# Altium PCB STM32_Controller_V2.0_ZET6.PcbDoc (part 1 of 2)
Units mil, origin at the board's own origin, x right, y up, seen from the top; angles counter-clockwise.
Board outline 3257.01 x 1920.53 mil, 2 copper layers (Top Layer, Bottom Layer); 111 components, 111 nets, 559 pads, 198 vias.
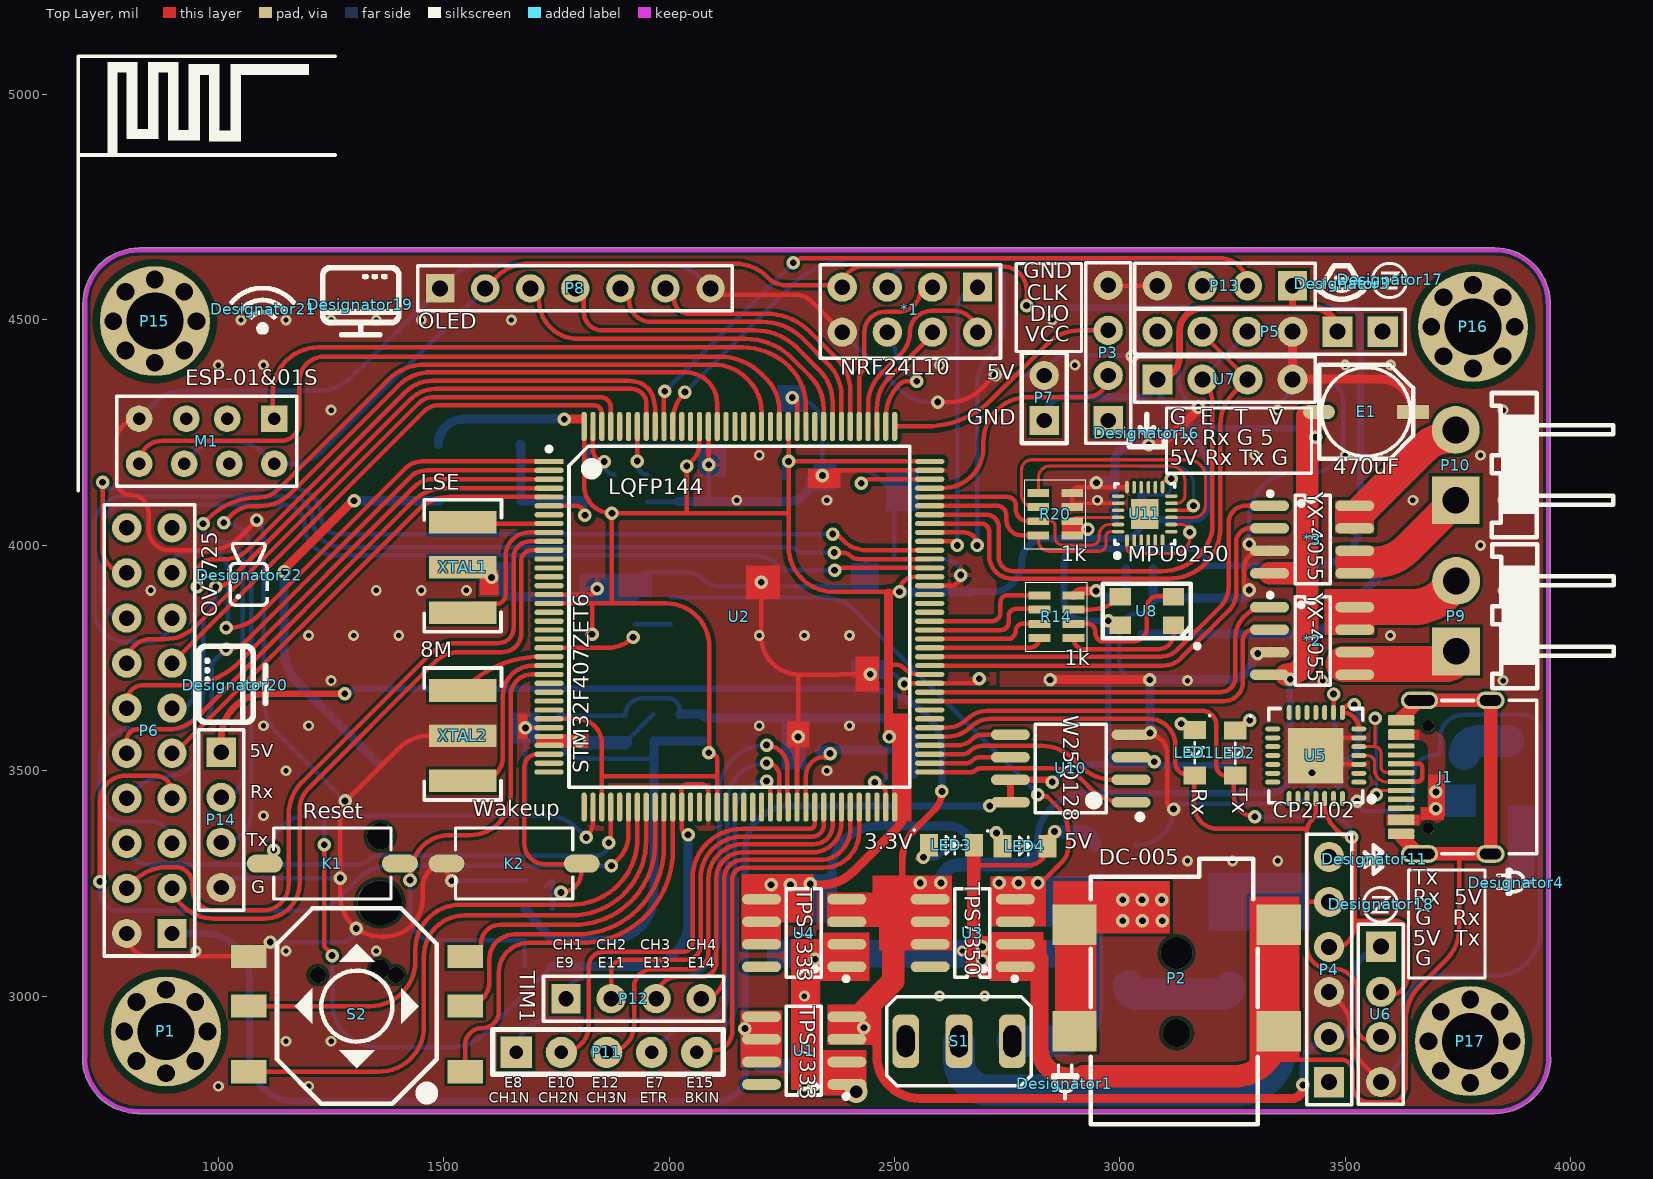
[diagram p0: Top Layer view]
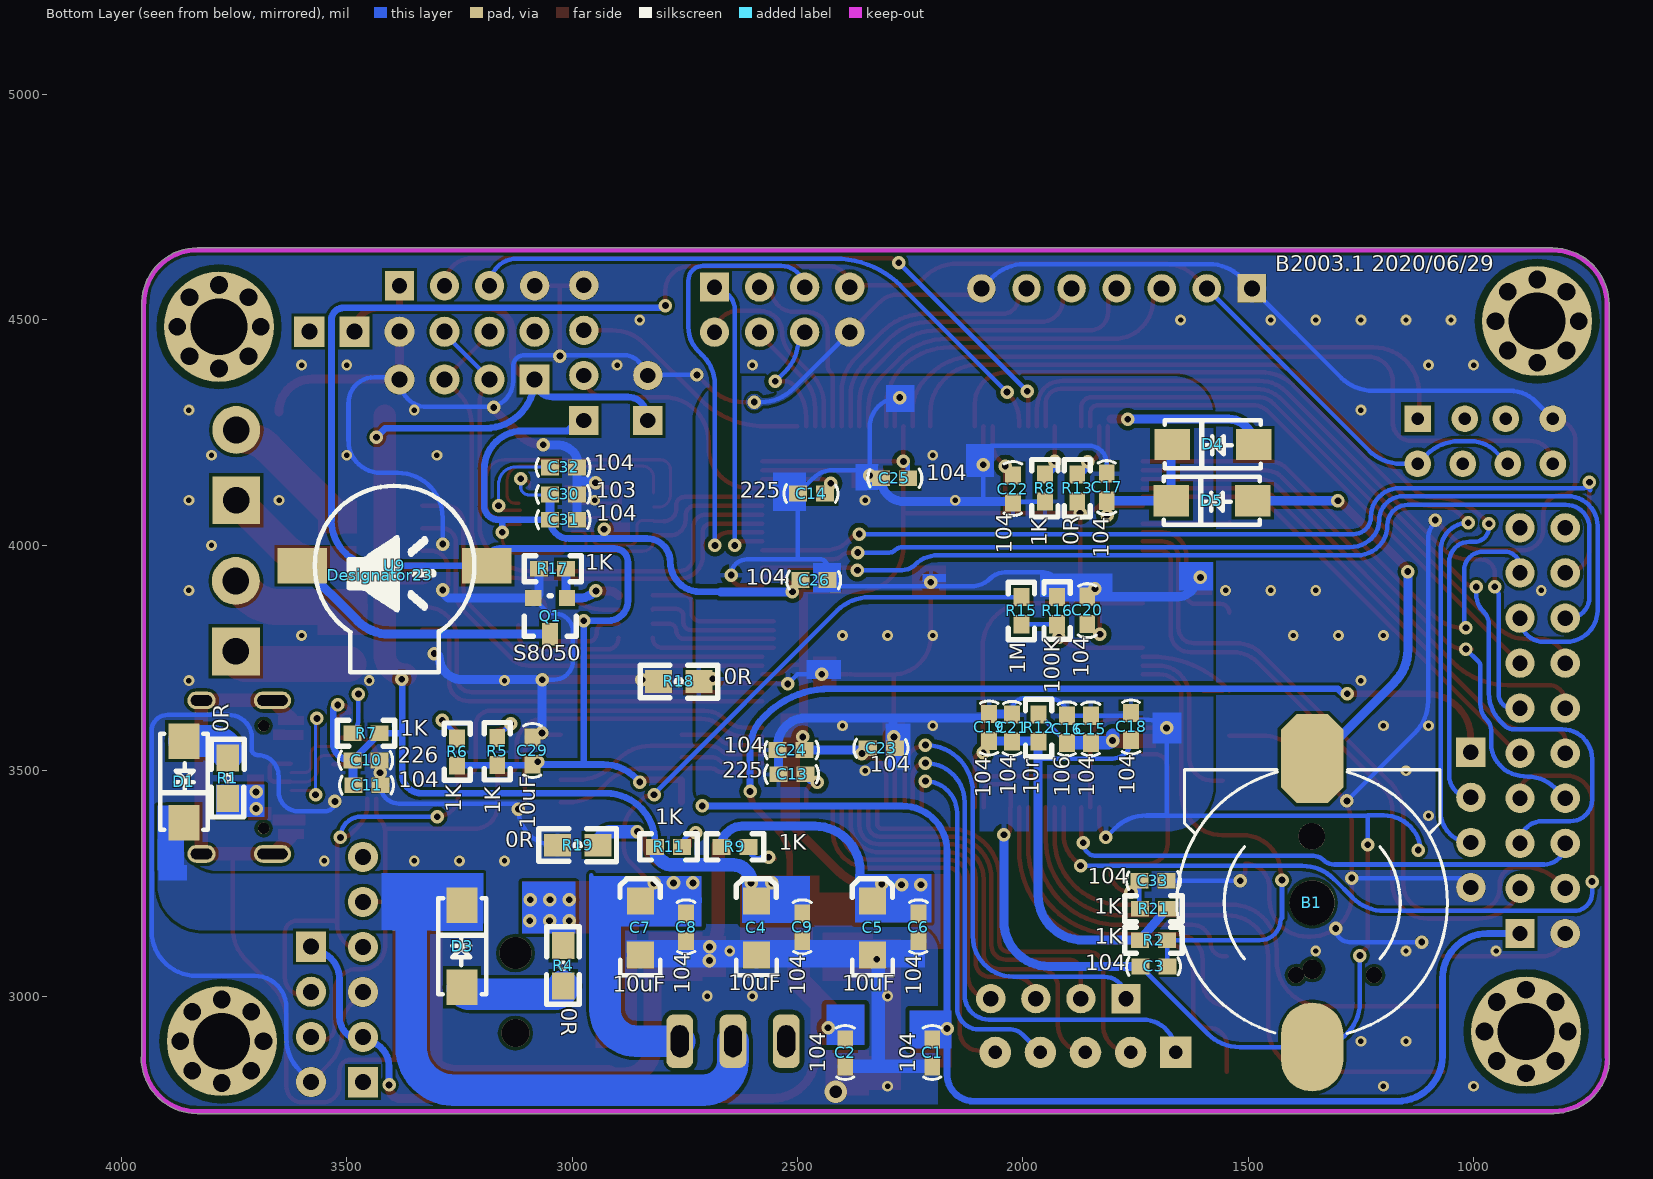
[diagram p1: Bottom Layer view, seen from below]

## Layer stack, top to bottom
Top Solder: solder mask 0.4, Solder Resist, Dk 3.5
Top Layer: signal copper 1.4
Dielectric 1: dielectric 12.6, FR-4, Dk 4.8
Bottom Layer: signal copper 1.4
Bottom Solder: solder mask 0.4, Solder Resist, Dk 3.5

## Board outline
820.91,2739.78 cw(c821.81,2862.91) 698.69,2862.91 cw(c703.7,2862.91) 699.11,2864.93 699.11,4534.38 cw(c824.4,4534.38) 823.79,4659.67 cw(c825.4,4654.92) 825.4,4659.94 3831.93,4659.94 cw(c3831.93,4537.5) 3954.34,4540.25 cw(c3950.15,4537.5) 3955.16,4537.5 3955.16,2865.36 cw(c3950.68,2863.11) 3955.7,2863.11 cw(c3832,2863.11) 3832,2739.41 822.81,2739.41 cw(c822.81,2744.43)

## Design rules (kind name [scope] priority, off if disabled: settings)
Clearance [All] p1: gap=7 ignorepadtopadclearanceinfootprint=FALSE
ComponentClearance [All] p1 off: gap=0 collisioncheckmode=3 verticalgap=10 showdistances=FALSE
PolygonConnect [All] p1: connectstyle=Relief reliefconductorwidth=10 reliefentries=4 polygonreliefangle="90 Angle" airgapwidth=0
RoutingVias [All] p1: holewidth=28 width=50 viastyle="Through Hole" minholewidth=28 minwidth=50 maxholewidth=28 maxwidth=50
SolderMaskExpansion [All] p1: expansion=4 istentingtop=FALSE
Width [All] p1: maxlimit=100 minlimit=7 preferedwidth=10 minimp=50.000000 maximp=50.000000 favimp=50.000000
29 further rules are at their usual default settings.

## Classes and differential pairs
component class STM32_Controller_V2.0_ZET6: *1 *2 *3 B1 C1 C2 C3 C4 C5 C6 C7 C8 C9 C10 C11 C13 C14 C15 C16 C17 C18 C19 C20 C21 C22 C23 C24 C25 C26 C28 C29 C30 C31 C32 C33 D1 D3 D4 D5 D? E1 J1 K1 K2 LED1 LED2 LED3 LED4 M1 P1 P2 P3 P4 P5 P6 P7 P8 P9 P10 P11 P12 P13 P14 P15 P16 P17 Q1 R1 R2 R4 R5 R6 R7 R8 R9 R11 R12 R13 R14 R15 R16 R17 R18 R19 R20 R21 S1 S2 U1 U2 U3 U4 U5 U6 U7 U8 U9 U10 U11 XTAL1 XTAL2

## Components (designator, comment, footprint, x,y, rotation, side; value= is the part's Value field where it differs from the comment)
*1 "NRF24L10" NRF24L10 2535,4529 r270 top locked
*2 "YX-4055" SOP-8 3333.49,3862 r0 top
*3 "YX-4055" SOP-8 3333.49,4087 r0 top
B1 "纽扣电池底座" CR1220 1368,3207 r270 bottom
C1 "104" 0603C 2483,2941 r90 bottom
C2 "104" 0603C 2676,2941 r90 bottom
C3 "104" 0603C 1776.28,2784 r0 bottom
C4 "10uF" TAJ-A 2590.89,3211.21 r90 bottom
C5 "10uF" TAJ-A 2333.13,3211.21 r90 bottom
C6 "104" 0603C 2513.65,3219.71 r90 bottom
C7 "10uF" TAJ-A 2848.65,3211.21 r90 bottom
C8 "104" 0603C 3029.17,3219.71 r90 bottom
C9 "104" 0603C 2771.41,3219.71 r90 bottom
C10 "226" 0603C 3524,3241 r0 bottom
C11 "104" 0603C 3522,3186 r0 bottom
C13 "225" 0603C 2579,3210 r0 bottom
C14 "225" 0603C 2536,3833 r0 bottom
C15 "104" 0603C 2131,3659 r90 bottom
C16 "106" 0603C 2184,3659 r90 bottom
C17 "104" 0603C 1532,4062 r270 bottom
C18 "104" 0603C 1478,3531 r270 bottom
C19 "104" 0603C 1793,3529 r270 bottom
C20 "104" 0603C 1575,3789 r270 bottom
C21 "104" 0603C 1742,3528 r270 bottom
C22 "104" 0603C 2304,4192 r90 bottom
C23 "104" 0603C 2381,3268 r0 bottom
C24 "104" 0603C 2447,3828 r180 bottom
C25 "104" 0603C 2218,4431 r180 bottom
C26 "104" 0603C 2530,3641 r0 bottom
C29 "10uF" 0603C 3370,3611 r90 bottom
C30 "103" 0603C 3086,3831 r0 bottom
C31 "104" 0603C 3086,3775 r0 bottom
C32 "104" 0603C 3086,3891 r0 bottom
C33 "104" 0603C 1644.28,3538 r180 bottom
D1 "D" SMA/DO-214AC 3862,3558.94 r270 bottom
D3 "D" SMA/DO-214AC 3243,3027 r90 bottom
D4 "D" SMA/DO-214AC 1494.9,4225 r0 bottom
D5 "D" SMA/DO-214AC 1497,4100 r0 bottom
Designator1 "Comment" LOGO_VCC-s 2878,2807 r0 top
Designator3 "Comment" LOGO_ULTRASONIC 3493,4581 r0 top
Designator4 "Comment" LOGO_VCC-s 3879,3253 r90 top
Designator11 "Comment" LOGO_bluetooth 3565,3305 r0 top
Designator16 "Comment" LOGO_loard-m 3060,4250 r0 top
Designator17 "Comment" LOGO_zigbee-m 3600,4590 r0 top
Designator18 "Comment" LOGO_zigbee-m 3580,3205 r0 top
Designator19 "Comment" LOGO_Display 1315,4535 r0 top
Designator20 "Comment" LOGO_Display 1037.79,3691.04 r90 top
Designator21 "Comment" LOGO_wifi 1100,4525 r0 top
Designator22 "Comment" LOGO_camera 1070,3935 r90 top
Designator23 "Comment" LOGO_Buzzer 3426,3935 r180 bottom
E1 "470uF" "CM C(5*5.4)" 3546,4296 r0 top
J1 "Type_C-16P" TYPE_C-16P 3756.59,3491.94 r0 top locked
K1 "Reset" 贴片按键 1397,3296.8 r180 top
K2 "Wakeup" 贴片按键 1800.29,3296.8 r180 top
LED1 "Rx" 0805LED(RED) 3170.95,3586.98 r270 top
LED2 "Tx" 0805LED(RED) 3260.95,3585.98 r270 top
LED3 "3.3V" 0805LED(GREEN) 2578,3337 r0 top
LED4 "5V" 0805LED(GREEN) 2741,3335 r0 top
M1 "ESP-01&01S" esp01 974,4231 r0 top
P1 "测试点" 定位孔 882.72,2920.66 r180 top
P2 "DC-005" DC-050 3125.62,3095.23 r90 top locked
P3 "下载器" "Header 4"#1 2973.05,4577.93 r0 top
P4 "HC-05" "Header 6(排母)"#1 3461.64,2807.43 r180 top
P5 "HC-05" "Header 6(排母)"#2 3584.57,4471.64 r270 top
P6 "OV7725" "Header 10X2" 896.02,3138.8 r180 top locked
P7 "Header 2" "Header 2" 2832.81,4379.01 r180 top
P8 "OLED" 12864-0.96寸-无边框 1332,4547 r0 top locked
P9 "VH3.96插座" VH3.96-WI-2P 3746,3842.95 r90 top
P10 "VH3.96插座" VH3.96-WI-2P 3745,4178 r90 top
P11 "TIM1" "Header 5" 1661,2875 r90 top
P12 "TIM1" "Header 4"#2 1770.22,2993.47 r90 top
P13 "超声波" "Header 4"#2 3383.93,4576.95 r270 top
P14 "串口屏" "Header 4"#2 1005.05,3541.93 r0 top
P15 "测试点" 定位孔 858.3,4496.56 r180 top
P16 "测试点" 定位孔 3782.78,4484.08 r180 top
P17 "测试点" 定位孔 3776.3,2899.08 r180 top
Q1 "S8050" SOT-23 3013.52,3877.84 r0 bottom
R1 "0R" 0805R 3763,3442.94 r90 bottom
R2 "1K" 0603R 1682,3123 r0 bottom
R4 "0R" 0805R 3021,3108 r270 bottom
R5 "1K" 0603R 3167,3514.97 r90 bottom
R6 "1K" 0603R 3256,3513.97 r90 bottom
R7 "1K" 0603R 3429,3582 r0 bottom
R8 "1K" 0603R 1950,4155 r270 bottom
R9 "1K" 0603R 2667,3332 r180 bottom
R11 "1K" 0603R 2814,3332 r180 bottom
R12 "10r" 0603R 1964,3623 r270 bottom
R13 "0R" 0603R 1878,4155 r270 bottom
R14 "1k" 排阻(4位贴片) 2895,3795.01 r180 top
R15 "1M" 0603R 2002,3883 r270 bottom
R16 "100K" 0603R 1925,3827 r90 bottom
R17 "1K" 0603R 3071,3949 r180 bottom
R18 "0R" 0805R 2803.49,3696.8 r180 bottom
R19 "0R" 0805R 3028,3334 r180 bottom
R20 "1k" 排阻(4位贴片) 2892.59,4022.5 r180 top
R21 "1K" 0603R 1682,3193 r0 bottom
S1 "钮子开关" 钮子开关(小) 2524.89,2900 r0 top
S2 "按键" 5轴按键 1306,2981 r180 top
U1 "TPS7333" SOP-8 2392.51,2805 r180 top locked
U2 "STM32F407ZET6" LQFP-144 1820.09,4181.8 r0 top locked
U3 "TPS7350" SOP-8 2766.51,3066 r180 top locked
U4 "TPS7333" SOP-8 2392.51,3066 r180 top locked
U5 "CP2102" QFN-28 3509.68,3458.25 r180 top
U6 "Zigbee" zigbee 3579,2959 r0 top
U7 "Zigbee" zigbee 3233.62,4368 r90 top
U8 "RGB" RGB-3528 3002.03,3884.67 r0 top
U9 "Buzzer" MLT-9032 3393.72,3955 r0 bottom
U10 "W25Q128" SOW-8 2942.92,3433.61 r180 top
U11 "MPU9250" QFN-24 3054.06,4070.87 r90 top
XTAL1 "LSE" 三脚贴片8M晶振 1539.64,4051.24 r0 top
XTAL2 "8M" 三脚贴片8M晶振 1539.64,3678.26 r0 top

## Footprints (in the part's own frame and the unit in brackets; to place one, negate y for a bottom-side part, rotate by r counter-clockwise, add the part's x,y. Pads: shape width x height; smd on the part's side, far side on the other; paste and mask are expansions set on the pad)
5轴按键 [mm]
  rect 2x1.3 smd: 1(-6.128,3.778) 2(-6.128,0.078) 3(-6.128,-2.722) 4(6.072,3.778) 5(6.072,0.078) 6(6.072,-2.722)
  silkscreen extent -4.53,-5.42 4.47,5.58, body extent -6.53,-5.08 6.47,5.24, height 9.05
0603C [mil]
  rect 40x35 smd: 1(-97,-282) 2(-37,-282)
  silkscreen extent -126,-302 -6,-262, body extent -117,-299 -14,-260, height 35
0603R [mil]
  rect 40x35 smd: 1(-2,-1) 2(58,-1)
  silkscreen extent -35,-30 92,28, body extent -5,-17 61,15, height 22
0805LED(GREEN) [mil]
  rect 40x50 smd: 1(-2,-2) 2(98,-2)
  silkscreen extent -36,-22 71,33, body extent 7,-27 87,23, height 43
0805LED(RED) [mil]
  rect 40x50 smd: 1(-2.98,-4.95) 2(97.02,-4.95)
  silkscreen extent -37,-25 70,31, body extent 13,-25 80,11, height 35
0805R [mil]
  rect 60x50 smd: 1(-4.51,1.2) 2(85.49,1.2)
  silkscreen extent -46,-36 126,37, body extent -6,-25 84,29, height 30
12864-0.96寸-无边框 [mm] "12864-0.96寸-无边框"
  rect 1.6x1.6 hole 0.9: 1(4.061,0.59)
  round 1.6 hole 0.9: 2(6.601,0.59) 3(9.141,0.59) 4(11.681,0.59) 5(14.221,0.59) 6(16.761,0.59) 7(19.301,0.59)
  silkscreen extent 2.79,-0.68 20.52,1.86, body extent -1.72,-25.56 24.98,2.3, height 8.54
"CM C(5*5.4)" [mm] "贴片电解电容，直径5mm，高5.4mm"
  rect 1.8x0.8 smd: 1(2.65,0)
  oval 1.8x0.8 smd: 2(-2.65,0)
  silkscreen extent -2.65,-2.65 2.65,2.65, body extent -2.95,-2.65 2.95,2.65, height 5.4
CR1220 [mm]
  round 1.5 hole 1.5: 0(-3.75,0.229)
  round 2.54 hole 2.54: 0(0,0.254)
  round 1.1 hole 1.1: 0(3.75,0.254)
  oct 5x3.5 smd: 1(-8.128,0.254)
  oval 5x3.5 smd: 2(8.128,0.254)
  silkscreen extent -7.5,-7.37 7.36,7.87, body extent -9.38,-7.38 9.12,7.62, height 4.19
DC-050 [mm] "贴片DC005  5.5*2.1"
  rect 2.3x2.5 smd: 1(-4.4,5.75) 1(1.6,5.75) 2(1.6,-5.75) 3(-4.4,-5.75)
  silkscreen extent -9.65,-4.57 5.33,4.83, body extent -9.5,-6.3 5.3,6.3, height 11
esp01 [mm] "esp01 wifi模块"
  rect 1.5x1.5 hole 0.7: 1(3.81,1.27)
  round 1.5 hole 0.7: 2(1.15,1.27) 3(-1.15,1.27) 4(-3.81,1.27) 5(3.81,-1.27) 6(1.27,-1.27) 7(-1.27,-1.27) 8(-3.81,-1.27)
  silkscreen extent -7.25,-2.79 7.25,21.71
"Header 2" [mil]
  rect 65x65 hole 34: 1(0.81,102.01)
  round 65 hole 34: 2(0.81,2.01)
  silkscreen extent -49,-48 51,152, body extent -46,-50 54,150, height 315
"Header 4"#1 [mil]
  round 65 hole 34: 1(0.95,-0.93) 2(0.95,-100.93) 3(0.95,-200.93)
  rect 65x65 hole 34: 4(0.95,-300.93)
  silkscreen extent -49,-351 51,49, body extent -51,-354 49,46, height 336
"Header 4"#2 [mil]
  rect 65x65 hole 34: 1(0.95,-0.93)
  round 65 hole 34: 2(0.95,-100.93) 3(0.95,-200.93) 4(0.95,-300.93)
  silkscreen extent -49,-351 51,49, body extent -51,-354 49,46, height 336
"Header 5" [mil]
  rect 70x70 hole 30: 1(0,0)
  round 70 hole 30: 2(0,-100) 3(0,-200) 4(0,-300) 5(0,-400)
  silkscreen extent -48,-459 51,52, body extent -50,-452 53,50, height 336
"Header 6(排母)"#1 [mm]
  rect 1.7x1.7 hole 0.9: 1(-0.06,-0.04)
  round 1.7 hole 0.9: 2(-0.06,-2.58) 3(-0.06,-5.12) 4(-0.06,-7.66) 5(-0.06,-10.2) 6(-0.06,-12.74)
  silkscreen extent -1.33,-14.01 1.21,1.23, body extent -1.33,-14.01 1.21,1.23, height 8.5
"Header 6(排母)"#2 [mm]
  rect 1.7x1.7 hole 0.9: 1(-0.06,-0.04) 2(-0.06,-2.58)
  round 1.7 hole 0.9: 3(-0.06,-5.12) 4(-0.06,-7.66) 5(-0.06,-10.2) 6(-0.06,-12.74)
  silkscreen extent -1.33,-14.01 1.21,1.23, body extent -1.33,-14.01 1.21,1.23, height 8.5
"Header 10X2" [mil]
  rect 65x65 hole 34: 1(-0.98,-0.2)
  round 65 hole 34: 2(-0.98,-100.2) 3(-0.98,-200.2) 4(-0.98,-300.2) 5(-0.98,-400) 6(-0.98,-500) 8(-0.98,-699.8) 10(-0.98,-900.2) 11(99.41,-900.2) 13(99.41,-699.8) 15(99.41,-500) 16(99.41,-400) 17(99.41,-300.2) 18(99.41,-200.2) 19(99.41,-100.2) 20(99.41,-0.2)
  round 65 hole 34 paste+0: 7(-0.98,-599.8) 9(-0.98,-800.2) 12(99.41,-800.2) 14(99.41,-599.8)
  silkscreen extent -51,-952 149,50, body extent -13,-948 493,52, height 201
LOGO_bluetooth [mil]
  silkscreen extent -26,-37 21,34
LOGO_Buzzer [mil]
  silkscreen extent -74,-83 125,86
LOGO_camera [mil]
  silkscreen extent -71,-42 72,46
LOGO_Display [mil]
  silkscreen extent -89,-72 90,87
LOGO_loard-m [mil]
  silkscreen extent -44,-35 44,46
LOGO_ULTRASONIC [mil]
  silkscreen extent -56,-39 54,45
LOGO_VCC-s [mil]
  silkscreen extent -31,-37 31,43
LOGO_wifi [mil]
  silkscreen extent -76,-56 72,50
LOGO_zigbee-m [mil]
  silkscreen extent -42,-42 38,38
LQFP-144 [mm]
  rect 1.651x0.3 smd: 1(-2.199,0.11)
  oval 1.651x0.3 smd: 2(-2.199,-0.39) 3(-2.199,-0.89) 4(-2.199,-1.39) 5(-2.199,-1.89) 6(-2.199,-2.39) 7(-2.199,-2.89) 8(-2.199,-3.39) 9(-2.199,-3.89) 10(-2.199,-4.39) 11(-2.199,-4.89) 12(-2.199,-5.39) 13(-2.199,-5.89) 14(-2.199,-6.39) 15(-2.199,-6.89) 16(-2.199,-7.39) 17(-2.199,-7.89) 18(-2.199,-8.39) 19(-2.199,-8.89) 20(-2.199,-9.39) 21(-2.199,-9.89) 22(-2.199,-10.39) 23(-2.199,-10.89) 24(-2.199,-11.39) 25(-2.199,-11.89) 26(-2.199,-12.39) 27(-2.199,-12.89) 28(-2.199,-13.39) 29(-2.199,-13.89) 30(-2.199,-14.39) 31(-2.199,-14.89) 32(-2.199,-15.39) 33(-2.199,-15.89) 34(-2.199,-16.39) 35(-2.199,-16.89) 36(-2.199,-17.39) 73(19.251,-17.39) 74(19.251,-16.89) 75(19.251,-16.39) 76(19.251,-15.89) 77(19.251,-15.39) 78(19.251,-14.89) 79(19.251,-14.39) 80(19.251,-13.89) 81(19.251,-13.39) 82(19.251,-12.89) 83(19.251,-12.39) 84(19.251,-11.89) 85(19.251,-11.39) 86(19.251,-10.89) 87(19.251,-10.39) 88(19.251,-9.89) 89(19.251,-9.39) 90(19.251,-8.89) 91(19.251,-8.39) 92(19.251,-7.89) 93(19.251,-7.39) 94(19.251,-6.89) 95(19.251,-6.39) 96(19.251,-5.89) 97(19.251,-5.39) 98(19.251,-4.89) 99(19.251,-4.39) 100(19.251,-3.89) 101(19.251,-3.39) 102(19.251,-2.89) 103(19.251,-2.39) 104(19.251,-1.89) 105(19.251,-1.39) 106(19.251,-0.89) 107(19.251,-0.39) 108(19.251,0.11)
  oval 0.3x1.651 smd: 37(-0.224,-19.365) 38(0.276,-19.365) 39(0.776,-19.365) 40(1.276,-19.365) 41(1.776,-19.365) 42(2.276,-19.365) 43(2.776,-19.365) 44(3.276,-19.365) 45(3.776,-19.365) 46(4.276,-19.365) 47(4.776,-19.365) 48(5.276,-19.365) 49(5.776,-19.365) 50(6.276,-19.365) 51(6.776,-19.365) 52(7.276,-19.365) 53(7.776,-19.365) 54(8.276,-19.365) 55(8.776,-19.365) 56(9.276,-19.365) 57(9.776,-19.365) 58(10.276,-19.365) 59(10.776,-19.365) 60(11.276,-19.365) 61(11.776,-19.365) 62(12.276,-19.365) 63(12.776,-19.365) 64(13.276,-19.365) 65(13.776,-19.365) 66(14.276,-19.365) 67(14.776,-19.365) 68(15.276,-19.365) 69(15.776,-19.365) 70(16.276,-19.365) 71(16.776,-19.365) 72(17.276,-19.365) 109(17.276,2.085) 110(16.776,2.085) 111(16.276,2.085) 112(15.776,2.085) 113(15.276,2.085) 114(14.776,2.085) 115(14.276,2.085) 116(13.776,2.085) 117(13.276,2.085) 118(12.776,2.085) 119(12.276,2.085) 120(11.776,2.085) 121(11.276,2.085) 122(10.776,2.085) 123(10.276,2.085) 124(9.776,2.085) 125(9.276,2.085) 126(8.776,2.085) 127(8.276,2.085) 128(7.776,2.085) 129(7.276,2.085) 130(6.776,2.085) 131(6.276,2.085) 132(5.776,2.085) 133(5.276,2.085) 134(4.776,2.085) 135(4.276,2.085) 136(3.776,2.085) 137(3.276,2.085) 138(2.776,2.085) 139(2.276,2.085) 140(1.776,2.085) 141(1.276,2.085) 142(0.776,2.085) 143(0.276,2.085) 144(-0.224,2.085)
  silkscreen extent -2.32,-18.24 18.13,0.96, body extent -2.47,-19.64 19.53,2.36, height 1.6
MLT-9032 [mm]
  rect 2.8x2 smd: 1(-5.2,0) 2(5.2,0)
  silkscreen extent -4.5,-4.5 4.5,6, body extent -6.83,-5.94 6.86,7.75, height 7.59
NRF24L10 [mil]
  rect 65x65 hole 34: 1(-44,149)
  round 65 hole 34: 2(-44,49) 3(-44,-51) 4(-44,-151) 5(56,-151) 6(56,-51) 7(56,49) 8(56,149)
  silkscreen extent -94,-200 114,200, body extent -1028,-209 114,382, height 374
QFN-24 [mm]
  oval 0.7x0.2 smd: 1(-1.525,0.975) 2(-1.525,0.575) 3(-1.525,0.175) 4(-1.525,-0.225) 5(-1.525,-0.625) 6(-1.525,-1.025) 13(1.475,-1.025) 14(1.475,-0.625) 15(1.475,-0.225) 16(1.475,0.175) 17(1.475,0.575) 18(1.475,0.975)
  oval 0.2x0.7 smd: 7(-1.025,-1.525) 8(-0.625,-1.525) 9(-0.225,-1.525) 10(0.175,-1.525) 11(0.575,-1.525) 12(0.975,-1.525) 19(0.975,1.475) 20(0.575,1.475) 21(0.175,1.475) 22(-0.225,1.475) 23(-0.625,1.475) 24(-1.025,1.475)
  rect 1.7x1.54 smd: 25(-0.025,-0.025)
  silkscreen extent -2.5,-1.73 1.67,1.67, body extent -1.6,-1.6 1.54,1.54, height 1
QFN-28 [mm] "CP2102  USB转串口芯片"
  rect 3.13x3.13 smd mask+0.051: 0(1.909,-1.918)
  oval 0.85x0.28 smd mask+0.051: 1(-0.516,-0.418) 2(-0.516,-0.918) 3(-0.516,-1.418) 4(-0.516,-1.918) 5(-0.516,-2.418) 6(-0.516,-2.918) 7(-0.516,-3.418) 15(4.334,-3.418) 16(4.334,-2.918) 17(4.334,-2.418) 18(4.334,-1.918) 19(4.334,-1.418) 20(4.334,-0.918) 21(4.334,-0.418)
  oval 0.28x0.85 smd mask+0.051: 8(0.409,-4.343) 9(0.909,-4.343) 10(1.409,-4.343) 11(1.909,-4.343) 12(2.409,-4.343) 13(2.909,-4.343) 14(3.409,-4.343) 22(3.409,0.507) 23(2.909,0.507) 24(2.409,0.507) 25(1.909,0.507) 26(1.409,0.507) 27(0.909,0.507) 28(0.409,0.507)
  silkscreen extent -1.39,-4.57 4.56,0.73, body extent -0.58,-4.42 4.42,0.58, height 1
RGB-3528 [mm]
  rect 1.2x1 smd: 1(-0.029,0.03) 2(-0.029,-1.57) 3(2.971,0.03) 4(2.971,-1.57)
  silkscreen extent -1.01,-2.87 4.42,0.76, body extent -0.32,-2.2 3.18,0.6, height 1.9
SMA/DO-214AC [mm]
  rect 2x1.75 smd: 1(-0.178,0.025) 2(4.422,0.025)
  silkscreen extent -0.58,-1.32 4.82,1.38, body extent -0.38,-1.32 4.73,1.35, height 2.12
SOP-8 [mm]
  oval 2.2x0.6 smd: 1(-0.038,0.025) 2(-0.038,-1.245) 3(-0.038,-2.515) 4(-0.038,-3.785) 5(4.762,-3.785) 6(4.762,-2.515) 7(4.762,-1.245) 8(4.762,0.025)
  silkscreen extent -0.12,-4.38 3.37,0.82, body extent -0.62,-4.33 5.38,0.58, height 1.7
SOT-23 [mil]
  rect 36x36 smd: 1(-2.52,-5.16) 2(72.48,-5.16)
  rect 36x50 smd: 3(35.48,74.84)
  silkscreen extent -23,-10 92,80, body extent -22,-18 92,92, height 47
SOW-8 [mm]
  oval 2.2x0.6 smd: 1(-2.078,0.092) 2(-2.078,-1.178) 3(-2.078,-2.448) 4(-2.078,-3.718) 5(4.722,-3.718) 6(4.722,-2.448) 7(4.722,-1.178) 8(4.722,0.092)
  silkscreen extent -2.73,-4.31 3.32,1.07, body extent -1.72,-4.35 4.32,0.67, height 1.6
TAJ-A [mil]
  rect 60x60 smd: 1(0,0) 2(-120,0)
  silkscreen extent -165,-45 49,45, body extent -125,-31 9,32, height 65
TYPE_C-16P [mm] "贴片USB-3.1  4固定插脚"
  round 0.65 hole 0.65: 0(-1.834,-3.045) 0(-1.834,2.735)
  rrect50% 1.5x0.3 smd: A1(-3.374,-3.505) A4(-3.374,-2.705) A5(-3.374,-1.405) A6(-3.374,-0.405) A7(-3.374,0.095) A8(-3.374,1.095) A9(-3.374,2.395) A12(-3.374,3.195) B1(-3.374,2.895) B4(-3.374,2.095) B5(-3.374,1.595) B6(-3.374,0.595) B7(-3.374,-0.905) B8(-3.374,-1.905) B9(-3.374,-2.405) B12(-3.374,-3.205)
  oval 1.6x1 hole 0.6 slot 1.2 at 0 deg: SH1(1.666,4.17) SH2(1.666,-4.48)
  oval 2.1x1 hole 0.6 slot 1.7 at 0 deg: SH3(-2.334,-4.48) SH4(-2.334,4.17)
  silkscreen extent -1.07,-4.48 4.27,4.17, body extent -3.39,-4.55 4.51,4.39, height 3.2
VH3.96-WI-2P [mm]
  rect 2.7x2.7 hole 1.5: 1(-1.98,0)
  round 2.7 hole 1.5: 2(1.982,0)
  silkscreen extent -4.06,-8.89 4.07,-2.03, body extent -4.01,-12 4.01,0.6, height 8.76
zigbee [mm]
  rect 1.7x1.7 hole 0.9: 1(0,3.826)
  round 1.7 hole 0.9: 2(0,1.286) 3(0,-1.254) 4(0,-3.794)
  silkscreen extent -1.27,-5.06 1.27,5.1, body extent -1.27,-5.06 7.45,5.13, height 11.77
三脚贴片8M晶振 [mm] "CSTCC8M00G53-RO"
  rect 3.8x1.27 smd: 1(0.06,-0.006) 2(0.06,-5.086) 3(0.06,-2.546)
  silkscreen extent -2.1,-6.18 2.24,1.26, body extent -1.72,-6.23 1.84,1.26, height 1.5
定位孔 [mm]
  round 1 hole 1: 1(-2.368,-0.023) 1(-1.679,1.638) 1(-1.679,-1.685) 1(-0.018,2.327) 1(-0.018,-2.373) 1(1.644,1.638) 1(1.644,-1.685) 1(2.332,-0.023)
  round 6.2 hole 3.2: 1(-0.018,-0.023)
排阻(4位贴片) [mm]
  rect 1.22x0.45 smd: 1(-0.051,0.013) 2(1.869,0.013) 3(-0.051,-0.787) 4(1.869,-0.787) 5(-0.051,-1.587) 6(1.869,-1.587) 7(-0.051,-2.387) 8(1.869,-2.387)
  silkscreen extent -0.81,-3.14 2.64,0.76, body extent 0.1,-2.79 1.7,0.41, height 0.59
贴片按键 [mil]
  oval 80x40 smd: 1(-5.71,2.8) 2(294.29,2.8)
  silkscreen extent 14,-76 274,82, body extent 24,-69 264,77, height 98
钮子开关(小) [mm]
  rrect50% 1.5x3 hole 1 slot 1.8 at 90 deg: 1(0,0) 2(3,0) 3(6,0)
  silkscreen extent -1.06,-2.5 7.06,2.5, body extent -0.97,-2.6 7.03,2.74, height 22.83

## Part data
*1: "NRF24L10模块"
*2 *3: library part YX-2530AM
C1 C2 C3 C6 C8 C9 C10 C11 C13 C14 C15 C16 C17 C18 C19 C20 C21 C22 C23 C24 C25 C26 C29 C30 C31 C32 C33: library part Cap1, "无极贴片电容"
C4 C5 C7: library part "Pol Cap", "极性贴片电容"
D1 D3 D4 D5: library part Diode, "二极管"
E1: library part C-CM, "贴片电解电容"
J1: "UJ31 Series Single Port 24 Contact Horizontal SMT Shielded USB-C 3.1 Receptacle"
K1 K2: library part 轻触按键, "轻触开关"
LED1 LED2 LED3 LED4: library part LED, "发光二极管"
M1: library part "ESP-01&01S Module"
P2: "电源插孔"
P3 P12 P13 P14: library part "Header 4", "排针"
P4 P5: library part "Header 6", "排针"
P6: library part "Header 10X2"
P7: "排针"
P8: "OLED显示屏幕"
P11: library part "Header 5", "排针"
Q1: library part NPN, "NPN三极管"
R1 R2 R4 R5 R6 R7 R8 R9 R11 R12 R13 R15 R16 R17 R18 R19 R21: library part Res, "电阻"
R14 R20: library part Res-4, "排阻"
S1: "大功率开关"
S2: library part 5轴按键, "5轴按键"
U1 U4: "3.3V电源芯片"
U2: "STM32单片机144引脚"
U3: "5V电源芯片"
U5: "USB转串口芯片"
U6 U7: library part Zigbee通信模块
U9: "蜂鸣器"
XTAL1 XTAL2: library part XTAL三脚贴片晶振

## Via types
v1: diameter 30, hole 15, Top Layer to Bottom Layer, 128 vias
v2: diameter 24, hole 12, Top Layer to Bottom Layer, 65 vias
v3: diameter 35.43, hole 35.43, Top Layer to Bottom Layer, 2 vias
v4: diameter 50, hole 28, Top Layer to Bottom Layer, 1 vias
v5: diameter 62.99, hole 62.99, Top Layer to Bottom Layer, 1 vias
v6: diameter 70.87, hole 70.87, Top Layer to Bottom Layer, 1 vias

## Nets (pads, with @x,y where several pads share a name; then routed paths per layer and width w, separated by ;. In a path a pad name is that pad's centre, name@x,y a point inside that pad or via, vN(x,y) a via of type N, cw(c..) or ccw(c..) an arc to the next point about the centre after c; other vN are vias at no path point)
3.3V: *1.4 C1.2 C29.1 M1.5 M1.7 P6.1 P8.2 R5.1 R6.1 U1.5 U1.6 U1.7 U8.2 U9.1 U10.3 U10.7 U10.8 | length 8026.3
  Top Layer w10: P8.2@1591.88,4570.23 1617.36,4595.71 cw(c1688.07,4525) 1688.07,4625 2146.58,4625 cw(c2146.58,4525) 2217.29,4595.71 2219,4594 ccw(c2260.04,4635.04) 2260.04,4577 2380,4577 *1.4@2384,4573 cw(c2430,4573) 2430,4619 2739.86,4619 cw(c2739.86,4565.86) 2793,4565.86 v1(2793,4532)
  Top Layer w15: U10.8@2757,3430 U10.7@2757,3480 2837.93,3480 cw(c2837.93,3462.93) v1(2850,3475)
  Bottom Layer w10: M1.7@924,4181 951.37,4208.37 cw(c1006,4153.75) 1006,4231 1032.58,4231 cw(c1032.58,4131) 1103.29,4201.71 M1.5@1124,4181 1161.23,4181 ccw(c1161.23,4281) 1231.94,4210.29 P8.2@1591.88,4570.23
  Bottom Layer w15: P6.1@897,3139 969,3139 cw(c969,3039) 1069,3039 1069,2867 ccw(c1169,2867) 1169,2767 2109,2767 ccw(c2109,2826) 2168,2826 v1(2168,2928) ; 2204.5,2926 2202.5,2926 2168,2960.5 2168,3322 cw(c2268,3322) 2268,3422 v1(2711,3422) ; v1@2798,4528 ccw(c2799,4528) 2799,4527 3507,4527 cw(c3507,4500) 3534,4500 3534,4055 cw(c3434,4055) 3434,3955 U9.1@3189,3955 3189,3965 ccw(c3161,3965) 3161,3993 2906,3993 ccw(c2906,3963) 2876,3963 2876,3877 ccw(c2920,3877) 2920,3833 v1(2974,3833) 2974,3516.41 ccw(c2977.41,3516.41) 2975,3514 ; v1(2850,3475) 2859.71,3484.71 cw(c2930.42,3414) 2930.42,3514 2974,3514 2975,3514 ; 2978,3514 C29.1@3073,3514 ; C29.1@3088,3514 3085,3514 C29.1@3073,3514 ; C29.1@3089.91,3511.97 3166,3511.97 R6.1@3255,3511.97 ; 2975,3514 C29.1@3073,3514
  other v1: 3076,3520
5V: *2.4 *3.4 C2.2 C4.1 C9.2 C10.2 C11.2 E1.2 P4.2 P5.2 P7.1 P13.1 P14.1 R7.1 R11.1 U1.3 U1.4 U3.5 U3.6 U3.7 U4.3 U4.4 U5.7 U5.8 U6.1 U7.1 | length 7421.3
  Top Layer w10: v1(3520,3646) 3510.36,3646 ccw(c3510.36,3629.22) U5.8@3493.58,3629.22 cw(c3493.58,3592.8) U5.7@3530,3592.8
  Top Layer w15: P14.1@1006,3541 1006,3571 cw(c1106,3571) 1106,3671 v1(1280,3671) ; 2517,3255 2517,3300.58 cw(c2617,3300.58) 2546.29,3371.29 2588.03,3413.03 ccw(c2547.06,3454) v1(2605,3454) ; U7.1@3083,4369 ccw(c3083,4418) 3132,4418 3132,4474 cw(c3184,4474) 3184,4526 3382,4526 ; P13.1@3383,4576 3383,4527 cw(c3382,4527) 3382,4526 ; P5.2@3483,4474 ccw(c3431,4474) 3431,4526 3382,4526
  Top Layer w20: 2461,2968 2461,2867 ccw(c2555,2867) 2555,2773 3381,2773 ccw(c3381,2798) 3406,2798 v1(3406,2803) ; P4.2@3460.59,2907.59 cw(c3464,2904.17) P4.2@3464,2909
  Top Layer w50: 2434,2970 2497,3033 2497,3135 2546,3184 ; *3.4@3332,3938 3416,3938 ; *2.4@3369,3713 ccw(c3369,3760) 3416,3760 3416,3938 ; E1.2@3416,4287 3416,3938
  Bottom Layer w15: v1(1280,3671) 1282.87,3673.87 1293.48,3673.87 1301.61,3682 2426.92,3682 cw(c2426.92,3476.59) 2572.16,3621.84 2575.71,3618.29 cw(c2505,3547.58) 2605,3547.58 v1(2605,3454) ; R11.1@2816,3331 2816,3341 cw(c2925,3341) 2925,3450 3334,3450 ccw(c3334,3493) 3377,3493 3377,3582 ; P7.1@2834.93,4287.93 cw(c2876,4287.93) 2876,4329 3043,4329 ccw(c3043,4369) 3083,4369 ccw(c3192,4369) 3192,4260 3414,4260 v1(3434,4240) ; v1(3378,3703) ccw(c3378,3702) 3377,3702 3377,3582 ; v1(3406,2803) 3406,2844 cw(c3464,2844) 3464,2902 ccw(c3464,2954) 3516,2954 3516,3038 cw(c3580,3038) U6.1@3580,3102 ; v1(3520,3646) cw(c3520,3636) 3530,3636 3530,3562 cw(c3491,3562) 3491,3523 C10.2@3487,3523 R7.1@3427,3583 3378,3583 ccw(c3378,3582) 3377,3582
  Bottom Layer w20: C11.2@3485,3468 C10.2@3487,3523
  Bottom Layer w30: v1(2603,3251) cw(c2643,3251) 2643,3291 2776,3291 ccw(c2776,3331) R11.1@2816,3331
  other v1: 2432,2930 2557,3251
AD0: R20.6 U11.9 | length 704.7
  Top Layer w7: R20.6@2819,4085 2808,4085 cw(c2808,4111) 2782,4111 2782,4168 cw(c2804,4168) 2804,4190 3150.76,4190 cw(c3150.76,4151.26) 3189.5,4151.26 3189.5,4087.5 cw(c3164,4087.5) 3164,4062 U11.9@3114.11,4062
ADC3_IN8: R15.2 R16.1 U2.22 | length 271.7
  Top Layer w10: U2.22@1733.51,3772.74 1863.85,3772.74 ccw(c1863.85,3852.15) v1(1920,3796)
  Bottom Layer w10: R16.1@1924,3825 R15.2@2003,3825
ADC_PROWER: C7.1 C8.2 R15.1 S1.3 U3.3 U3.4 | length 1872.6
  Top Layer w10: v1(2818,3251) ccw(c2818,3267.9) 2829.94,3255.94 2872,3298 ccw(c2840.62,3329.38) 2885,3329.38 2885,3366 ccw(c2812.57,3366) 2863.79,3417.21 2837.21,3443.79 2821.21,3443.79 v1(2818,3447)
  Bottom Layer w10: R15.1@2003,3885 2340.58,3885 cw(c2340.58,3785) 2411.29,3855.71 2820,3447 v1(2818,3447) ; 2957,3260 2957,3268.58
  Bottom Layer w70: 2747,3213 2880,3213 cw(c2880,3166) 2927,3166 2927,2970 cw(c2857,2970) 2857,2900 S1.3@2761.11,2900
  other v1: 2732,3251 2775,3251
BEEP: R14.8 U2.90 | length 310.9
  Top Layer w10: U2.90@2553,3831.8 2715.8,3831.8 ccw(c2715.8,3851) 2735,3851 2735,3874 cw(c2750,3874) 2750,3889 R14.8@2821.41,3889
BOOT0: R8.1 U2.138 | length 119.2
  Top Layer w10: v1(1929.38,4187) U2.138@1929.38,4263.88
  Bottom Layer w10: v1(1929.38,4187) 1929.38,4178.62 ccw(c1951,4178.62) R8.1@1951,4157
DCMI_D0: P6.13 U2.96 | length 2164.1
  Top Layer w10: v1@2358,3949.91 U2.96@2578,3949.91
  Bottom Layer w10: P6.13@789.8,3838 cw(c789.8,3884.8) 743,3884.8 743,4038 cw(c795,4038) 795,4090 1146,4090 cw(c1146,4045) 1191,4045 ccw(c1258,4045) 1258,3978 2188.3,3978 cw(c2188.3,3906.3) 2239,3957 ccw(c2267.97,3985.97) 2267.97,3945 v1@2358,3945
  other v1: 2367,3945
DCMI_D1: P6.8 U2.97 | length 2390
  Top Layer w10: v1(2366,3984) 2385.1,3984 cw(c2385.1,3960.1) 2402,3977 ccw(c2419.89,3994.89) 2419.89,3969.59 U2.97@2578,3969.59
  Bottom Layer w10: P6.8@897,3838.61 cw(c844.39,3838.61) 844.39,3786 795,3786 cw(c795,3856) 725,3856 725,4043 cw(c791,4043) 791,4109 1156,4109 cw(c1156,4055.39) 1209.61,4055.44 ccw(c1265.14,4055.39) 1225.88,4016.12 ccw(c1274.46,4064.71) 1274.46,3996 2267.1,3996 cw(c2267.1,3972.1) 2284,3989 ccw(c2296.07,4001.07) 2296.07,3984 v1(2366,3984)
DCMI_D2: P6.14 U2.141 | length 1375.7
  Top Layer w10: P6.14@796.61,3738.61 cw(c850,3738.61) 850,3792 879.58,3792 ccw(c879.58,3892) 900.17,3794.14 cw(c902.23,3784.36) 901.27,3794.31 ccw(c897,3838.61) 919.67,3800.32 cw(c924.77,3791.71) 920.66,3800.83 ccw(c879.58,3892) 950.29,3821.29 1443.71,4314.71 cw(c1478.21,4280.21) 1478.21,4329 1847.49,4329 cw(c1847.49,4306.17) 1870.32,4306.17 U2.141@1870.32,4263.88
DCMI_D3: P6.7 U2.142 | length 1228.2
  Top Layer w10: P6.7@897,3738.61 1455.1,4296.71 cw(c1489.6,4262.21) 1489.6,4311 1833,4311 cw(c1833,4293.36) 1850.64,4293.36 U2.142@1850.64,4263.88
DCMI_D4: P6.15 U2.3 | length 1152
  Top Layer w10: P6.15@796.61,3638.8 796.61,3653.61 cw(c833,3653.61) 833,3690 924.13,3690 ccw(c924.13,3861.1) 1045.16,3740.16 1435.9,4130.9 cw(c1474.18,4092.63) 1474.18,4146.76 U2.3@1733.51,4146.76
DCMI_D5: P6.6 U2.136 | length 1605.5
  Top Layer w10: v1(953,3908) 953,3938 cw(c984,3938) 984,3969 1012.89,3969 ccw(c1012.89,4044.11) 1065.96,3990.96 ; 1066,3991 1415.66,4340.66 cw(c1474.42,4281.9) 1474.42,4365 1907.24,4365 cw(c1907.24,4303.49) 1917.72,4364.1 ccw(c1919.43,4373.95) 1919.03,4363.96 cw(c1917.1,4315.04) 1965.12,4324.6 ; 1965.46,4323.33 cw(c1907.24,4303.49) 1968.75,4303.49 U2.136@1968.75,4263.88
  Bottom Layer w10: P6.6@897,3638.8 913.8,3638.8 ccw(c913.8,3669) 944,3669 944,3890 cw(c954,3890) 954,3900 953,3901 v1(953,3908)
DCMI_D6: P6.16 U2.4 | length 1193
  Top Layer w10: P6.16@796.61,3538.8 796.61,3567.61 cw(c821,3567.61) 821,3592 888,3592 ccw(c888,3683.74) 952.87,3618.87 1431.78,4097.78 cw(c1502.49,4027.07) 1502.49,4127.07 U2.4@1733.51,4127.07
DCMI_D7: P6.5 U2.5 | length 1067.1
  Top Layer w10: P6.5@897,3538.8 ccw(c897,3552.81) 906.9,3542.9 1442.1,4078.1 cw(c1512.81,4007.39) 1512.81,4107.39 U2.5@1733.51,4107.39
DCMI_HREF: P6.18 U2.40 | length 1198.4
  Top Layer w10: v1(1866,3340) ccw(c1855.56,3350.44) 1870.32,3350.44 U2.40@1870.32,3419.39
  Bottom Layer w10: P6.18@796.61,3339 ccw(c843.61,3339) 843.61,3292 1308.86,3292 ccw(c1308.86,3326.14) 1333,3302 cw(c1354.73,3280.27) 1354.73,3311 1837,3311 ccw(c1837,3340) v1(1866,3340)
DCMI_PCLK: P6.4 U2.42 | length 1763
  Top Layer w10: v1(737,3254) 737,3432 cw(c794,3432) 794,3489 860,3489 cw(c860,3452) 897,3452 P6.4@897,3439 ; v1(1872,3289) 1887.07,3304.07 ccw(c1832.44,3358.69) 1909.69,3358.69 U2.42@1909.69,3419.39
  Bottom Layer w10: v1(737,3254) 737,3229 ccw(c777,3229) 777,3189 1197.58,3189 ccw(c1197.58,3289) 1268.29,3218.29 1309.71,3259.71 cw(c1380.42,3189) 1380.42,3289 v1(1872,3289)
DCMI_PWDN: P6.12 U2.98 | length 2150.9
  Top Layer w10: v1(743,4140) 743,3992.61 ccw(c796.61,3992.61) P6.12@796.61,3939 ; v1(2363,4025) cw(c2363,4003.27) 2378.36,4018.64 2387.02,4009.98 ccw(c2437,4059.95) 2437,3989.28 U2.98@2578,3989.28
  Bottom Layer w10: 741,4122 cw(c746,4122) v1@746,4127 ; v1(743,4140) ccw(c756,4140) 756,4127 1164,4127 cw(c1164,4063) 1228,4063 ccw(c1266,4063) 1266,4025 v1(2363,4025)
DCMI_RESET: P6.9 U2.1 | length 1192.6
  Top Layer w10: v1(1017,3817) 1022.31,3817 ccw(c1022.31,3910.4) 1088.36,3844.36 ; 1088.38,3844.38 1414.98,4170.98 cw(c1451.55,4134.41) 1451.55,4186.13 U2.1@1733.51,4186.13
  Bottom Layer w10: P6.9@918,3939 P6.9@897,3939 897,3952 cw(c931,3952) 931,3986 979,3986 cw(c979,3944) 1021,3944 1021,3826.66 cw(c1007.34,3826.66) v1(1017,3817)
DCMI_VSYNC: P6.3 U2.137 | length 2066.5
  Top Layer w10: v1(994,3907.84) ccw(c994,3946.09) 1021.03,3919.03 1426.07,4324.07 cw(c1481.42,4268.73) 1481.42,4347 1917.1,4347 cw(c1917.1,4315.04) 1949.06,4315.04 U2.137@1949.06,4263.88
  Bottom Layer w10: P6.3@897,3339 ccw(c848,3339) 848,3388 785,3388 cw(c785,3436) 737,3436 737,3526.06 cw(c802.94,3526.06) 802.94,3592 910.27,3592 ccw(c910.27,3622.73) 932,3601 939.79,3608.79 ccw(c876.53,3672.06) 966,3672.06 966,3824.03 cw(c1006.97,3824.03) 978,3853 978.88,3853.88 ccw(c942.37,3890.38) 994,3890.38 v1(994,3907.84)
DCMI_XCLK: P6.17 U2.2 | length 1357.6
  Top Layer w10: v1@1004.58,3770 v1(1017,3770) 1019.96,3770 ccw(c1019.96,3828.04) 1061,3787 1425.29,4151.29 cw(c1461.86,4114.73) 1461.86,4166.44 U2.2@1733.51,4166.44
  Bottom Layer w10: P6.17@794,3421.5 794,3436.39 cw(c796.61,3436.39) P6.17@796.61,3439 819.58,3461.97 cw(c880,3401.55) 880,3487 ccw(c880,3581.15) 930.48,3501.67 941.6,3512.79 ccw(c894.76,3559.64) 961,3559.64 961,3590.27 cw(c991.73,3590.27) 970,3612 ccw(c933.79,3648.21) 985,3648.21 985,3733 cw(c997.07,3733) 988.54,3741.54 v1(1017,3770)
FSYNC: R20.8 U11.11 | length 460.8
  Top Layer w7: R20.8@2819,4116.5 2819,4150 cw(c2845,4150) 2845,4176 3112.7,4176 cw(c3112.7,4144.7) 3144,4144.7 3144,4111 cw(c3126.5,4111) 3126.5,4093.5 U11.11@3118.11,4093.5
GND: *1.5 *2.3 *3.3 C10.1 C11.1 C29.2 C30.1 C31.1 C32.1 C33.2 E1.1 K2.2 M1.4 P3.1 P4.3 P5.3 P6.20 P7.2 P8.1 P8.7 P13.4 P14.4 Q1.2 R17.1 R18.1 R19.1 R20.5 R20.7 S2.6 U5.0 U5.3 U5.6 U6.4 U7.4 U10.4 U11.18 U11.20 XTAL2.3 | length 12202.4
  Top Layer w7: R20.5@2894.59,4092.87 2894.59,4093.5 U11.20@3000,4093.5
  Top Layer w10: P6.20@796.61,3139 ccw(c847.45,3139) 847.45,3088.15 S2.6@1066.94,3088.15 ; M1.4@824,4281 ccw(c824,4231) 774,4231 774,4143 ccw(c805,4143) 805,4112 cw(c805,4072) 845,4072 845,4036 ccw(c892,4036) 892,3989 976.58,3989 ccw(c976.58,4089) 1047.29,4018.29 v1(1085,4056) ; v1(1517.41,3256) cw(c1544.97,3283.56) 1506,3283.56 K2.2@1506,3294 ccw(c1506,3241) 1453,3241 1453,3216 cw(c1369,3216) 1369,3132 1361,3132 cw(c1361,3223) 1270,3223 v1(1270,3262) 1270,3378.58 cw(c1370,3378.58) 1299.29,3449.29 1398.73,3548.73 cw(c1469.44,3478.02) 1469.44,3578.02 XTAL2.3@1542,3578.02 ; P8.7@2091.88,4570.23 2106.22,4570.23 2120.45,4556 2279.7,4556 cw(c2279.7,4504.58) 2316.06,4540.94 *1.5@2384,4473 ; v1(2596,4318) 2621.58,4318 ccw(c2621.58,4418) 2692.29,4347.29 v1(2723,4378) ; R20.5@2894.59,4093.5 R20.7@2894.59,4116.5 cw(c2907.02,4116.5) 2907.02,4128.93 U11.18@3014,4128.93 ; P3.1@2974,4577 ccw(c2975,4577) 2975,4576 3027,4576 ; U10.4@3024.72,3580 3063,3580 cw(c3063,3538) 3105,3538 3105,3429 ccw(c3119,3429) v1(3119,3415) ; v1(3027,4420) 3027,4576 ; P13.4@3083,4576 3027,4576 ; v1(3287,3901) cw(c3287,3913) 3275,3913 3275,3949 cw(c3314,3949) 3314,3988 *3.3@3332,3988 ; P4.3@3464,3009 3489.49,2983.51 cw(c3439.99,2934) 3510,2934 3510,2920.04 ccw(c3610,2920.04) 3539.29,2849.33 U6.4@3579,2809.62 ; U5.3@3530,3514.06 3454.21,3514.06 cw(c3454.21,3533.75) 3453.94,3514.06 3434.53,3533.47 U5.0@3434.53,3533.75 cw(c3473.9,3533.75) 3473.9,3573.12 U5.6@3530,3573.12
  Top Layer w20: v1(2845,3702) v1(3066,3702) ; v1(3064,4223) ccw(c3064,4295.43) 3115.21,4244.21 v1@3175.5,4304.5 ; P5.3@3383,4474 3383,4369 3577.34,4369 cw(c3577.34,4296) E1.1@3650.33,4296
  Bottom Layer w10: M1.4@824,4281 861.96,4318.96 cw(c920,4260.92) 920,4343 1223.23,4343 ccw(c1223.23,4443) 1293.94,4372.29 P8.1@1491.88,4570.23 1516.36,4594.71 cw(c1587.07,4524) 1587.07,4624 1996.69,4624 cw(c1996.69,4524) 2067.4,4594.71 P8.7@2091.88,4570.23 ; P14.4@1006,3241 cw(c1027,3241) 1027,3262 v1(1270,3262) ; v1@1083,4054 1084.74,4052.26 cw(c1045.47,4013) 1101,4013 1101,3654.42 ccw(c1201,3654.42) 1130.29,3583.71 v1(1281,3433) ; v1(1115,3120) 1276,3120 ccw(c1276,3150) v1(1306,3150) ; v1(1517.41,3256) C33.2@1681.28,3256 ; *1.5@2384,4473 2509.71,4347.29 ccw(c2580.42,4418) 2580.42,4318 v1(2596,4318) ; v1@2731,4378 2840.89,4378 cw(c2884.89,4378) 2884.89,4422 3106,4422 cw(c3106,4397) 3131,4397 3131,4364 ccw(c3188,4364) 3188,4307 3321,4307 ccw(c3321,4369) 3383,4369 cw(c3387,4369) 3387,4373 3439,4373 cw(c3439,4316) 3496,4316 3496,4232 cw(c3425,4232) 3425,4161 3387,4161 ccw(c3387,4061) 3287,4061 v1(3287,4003) ; R19.1@3032.51,3335.2 3039.2,3335.2 ccw(c3039.2,3415) v1(3119,3415) ; v1(3066,3702) 3040,3702 cw(c3040,3744) 2998,3744 2998,3808 cw(c3039,3808) 3018.6,3843.57 cw(c3039,3808) 3039,3849 ccw(c3039,3880.38) 3061.19,3858.19 Q1.2@3086,3883 ; v1@3124,3427 3384,3427 ccw(c3384,3468) C11.1@3425,3468 ; v1@3525.77,3432.54 v1(3526,3432) ccw(c3548,3432) 3548,3410 3607,3410 ccw(c3607,3454) 3651,3454 3651,3487.98 cw(c3697.9,3487.98) 3656.33,3509.69 cw(c3697.9,3487.98) 3697.9,3534.88 ccw(c3697.9,3547.8) 3710.82,3547.8 3710.82,3581.21 cw(c3762,3572) 3762,3624 3897,3624 cw(c3897,3588) 3933,3588 3933,3287.68 ; U6.4@3579,2809.62 3604.71,2835.33 ccw(c3534,2906.04) 3634,2906.04 3634,2975 cw(c3704,2975) 3704,3045 3833,3045 ccw(c3833,3145) 3933,3145 3933,3287.63
  Bottom Layer w20: v1(2948,4139) cw(c2952,4139) 2952,4143 2989,4143 ; C31.1@2989,4057 C30.1@2989,4113 2989,4143 ; v1(3064,4223) 3035.63,4223 ccw(c3035.63,4168.37) 2997,4207 ccw(c3016.31,4187.69) 2989,4187.69 C32.1@2989,4173 2989,4143 ; v1(3066,3702) 3243,3702 ccw(c3243,3754) v1@3295,3754 ; v1(3067,3584) v1@3067,3694 ; R17.1@3073,3948 3073,3896 ccw(c3086,3896) Q1.2@3086,3883 3271,3883 ccw(c3271,3894) v1@3282,3894 ; C11.1@3425,3468 v1(3426,3495.5) C10.1@3427,3523
  other v1: 3306,3760 3174,4306
  other v2: 1000,2800 1200,2800 1150,2900 1250,2900 950,3100 1150,3100 1350,3100 3150,3300 3250,3300 3350,3300 3550,3300 1100,3400 1150,3500 1100,3600 1200,3600 1250,3700 3150,3700 3450,3700 3850,3700 1200,3800 1300,3800 1400,3800 3600,3800 850,3900 1350,3900 1450,3900 1550,3900 3850,3900 3800,4000 2950,4100 3650,4100 3850,4100 3300,4200 3500,4200 3800,4200 1250,4300 3350,4300 3850,4300 1000,4400 1100,4400 2600,4400 2900,4400 3500,4400 3600,4400 1050,4500 1150,4500 1250,4500 1350,4500 1450,4500 1650,4500 2850,4500
IMU_SCL: R20.4 U2.104 U11.23 | length 527.4
  Top Layer w7: R20.4@2796.5,4053.5 R20.4@2819,4053.5 cw(c2820.5,4053.5) 2820.5,4055 2844,4055 cw(c2844,4043) 2856,4043 2856,4017 ccw(c2872,4017) 2872,4001 2937.93,4001 ccw(c2937.93,4017.07) 2954,4017.07 2954,4023 cw(c2977.25,4023) 2977.25,4046.25 U11.23@3000,4046.25
  Top Layer w10: U2.104@2578,4107.39 2750.61,4107.39 cw(c2750.61,4089) 2769,4089 2769,4081 ccw(c2796.5,4081) R20.4@2796.5,4053.5
IMU_SDA: R20.2 U2.103 U11.24 | length 521.1
  Top Layer w7: R20.2@2819,4022.01 2819,4011 ccw(c2843,4011) 2843,3987 2954,3987 ccw(c2954,4002) 2969,4002 2969,4020 cw(c2979.5,4020) 2979.5,4030.5 U11.24@3000,4030.5
  Top Layer w10: U2.103@2578,4087.7 2727.3,4087.7 cw(c2727.3,4067) 2748,4067 2748,4057.01 ccw(c2783,4057.01) 2783,4022.01 R20.2@2819,4022.01
KEY0: S2.1 U2.47 | length 899.6
  Top Layer w10: S2.1@1547.26,2832.25 1547.26,2891.26 cw(c1585,2891.26) 1585,2929 ccw(c1585,2966) 1622,2966 1622,3052.28 cw(c1687.72,3052.28) 1687.72,3118 1802.75,3118 ccw(c1802.75,3323.37) 2008.12,3323.37 U2.47@2008.12,3419.39
KEY1: S2.2 U2.46 | length 752.4
  Top Layer w10: S2.2@1547.26,2977.92 ccw(c1547.26,3031.66) 1601,3031.66 1601,3081 cw(c1657,3081) 1657,3137 1743,3137 1794.75,3137 ccw(c1794.75,3330.69) 1988.43,3330.69 U2.46@1988.43,3419.39
KEY2: S2.3 U2.45 | length 645.2
  Top Layer w10: S2.3@1547.26,3088.15 1554.15,3088.15 ccw(c1554.15,3117) 1583,3117 cw(c1624,3117) 1624,3158 1788,3158 ccw(c1788,3338.75) 1968.75,3338.75 U2.45@1968.75,3419.39
KEY3: S2.4 U2.44 | length 1316.3
  Top Layer w10: S2.4@1066.94,2832.25 1356,2832.25 ccw(c1356,2932.25) 1456,2932.25 1456,3089 cw(c1546,3089) 1546,3179 1782.74,3179 ccw(c1782.74,3345.32) 1949.06,3345.32 U2.44@1949.06,3419.39
KEY4: S2.5 U2.43 | length 1155.2
  Top Layer w10: S2.5@1066.94,2977.92 1337,2977.92 ccw(c1337,3077.92) 1437,3077.92 1437,3103 cw(c1537,3103) 1537,3203 1783,3203 ccw(c1783,3349.38) 1929.38,3349.38 U2.43@1929.38,3419.39
LED_B: R14.6 U2.89 | length 302
  Top Layer w10: U2.89@2553,3812.11 2736.11,3812.11 ccw(c2736.11,3829) 2753,3829 2753,3843 cw(c2769,3843) 2769,3859 2819.91,3859 cw(c2819.91,3857.5) R14.6@2821.41,3857.5
LED_G: R14.4 U2.88 | length 287.6
  Top Layer w10: U2.88@2553,3792.43 2750.43,3792.43 ccw(c2750.43,3811) 2769,3811 cw(c2784.01,3811) 2784.01,3826.01 R14.4@2821.41,3826.01
LED_R: R14.2 U2.87 | length 280.8
  Top Layer w10: U2.87@2553,3772.74 2799.64,3772.74 ccw(c2799.64,3794.51) R14.2@2821.41,3794.51
Net*2_5: *2.5 *2.6 P9.1 | length 275.6
  Top Layer w80: 3496,3737 3720.45,3737 ccw(c3720.45,3769.55) P9.1@3753,3769.55
Net*2_7: *2.7 *2.8 P9.2 | length 281.6
  Top Layer w80: *2.8@3493,3863 *2.8@3520.98,3863 3649.03,3863 ccw(c3649.03,3963) 3719.74,3892.29 P9.2@3753,3925.55
Net*3_5: *3.5 *3.6 P10.1 | length 285.5
  Top Layer w70: 3512,3963 3566.53,3963 ccw(c3566.53,4063) 3637.24,3992.29 P10.1@3745,4100.05
Net*3_7: *3.7 *3.8 P10.2 | length 305.5
  Top Layer w70: 3518,4059 3676.11,4217.11 cw(c3727.24,4165.98) 3727.24,4238.29 P10.2@3745,4256.05
NetB1_1: B1.1 D5.1 | length 917.8
  Top Layer w20: v1@1143.5,3944.5 1296.09,4097.09 1299.09,4097.09 v1(1301,4099)
  Bottom Layer w20: v1(1146,3942) 1146,3767.42 ccw(c1246,3767.42) 1175.29,3696.71 B1.1@1355,3517 ; v1(1301,4099) D5.1@1490,4099
NetC13_1: C13.1 U2.71 | length 104.9
  Top Layer w10: v1(2456,3474) cw(c2456,3449.44) 2480.56,3449.44 U2.71@2480.56,3419.39
  Bottom Layer w10: v1(2456,3474) 2464,3474 ccw(c2464,3492) C13.1@2482,3492